# Altium PCB FINAL_PCB_VER1.PcbDoc (part 1 of 4) (continued)
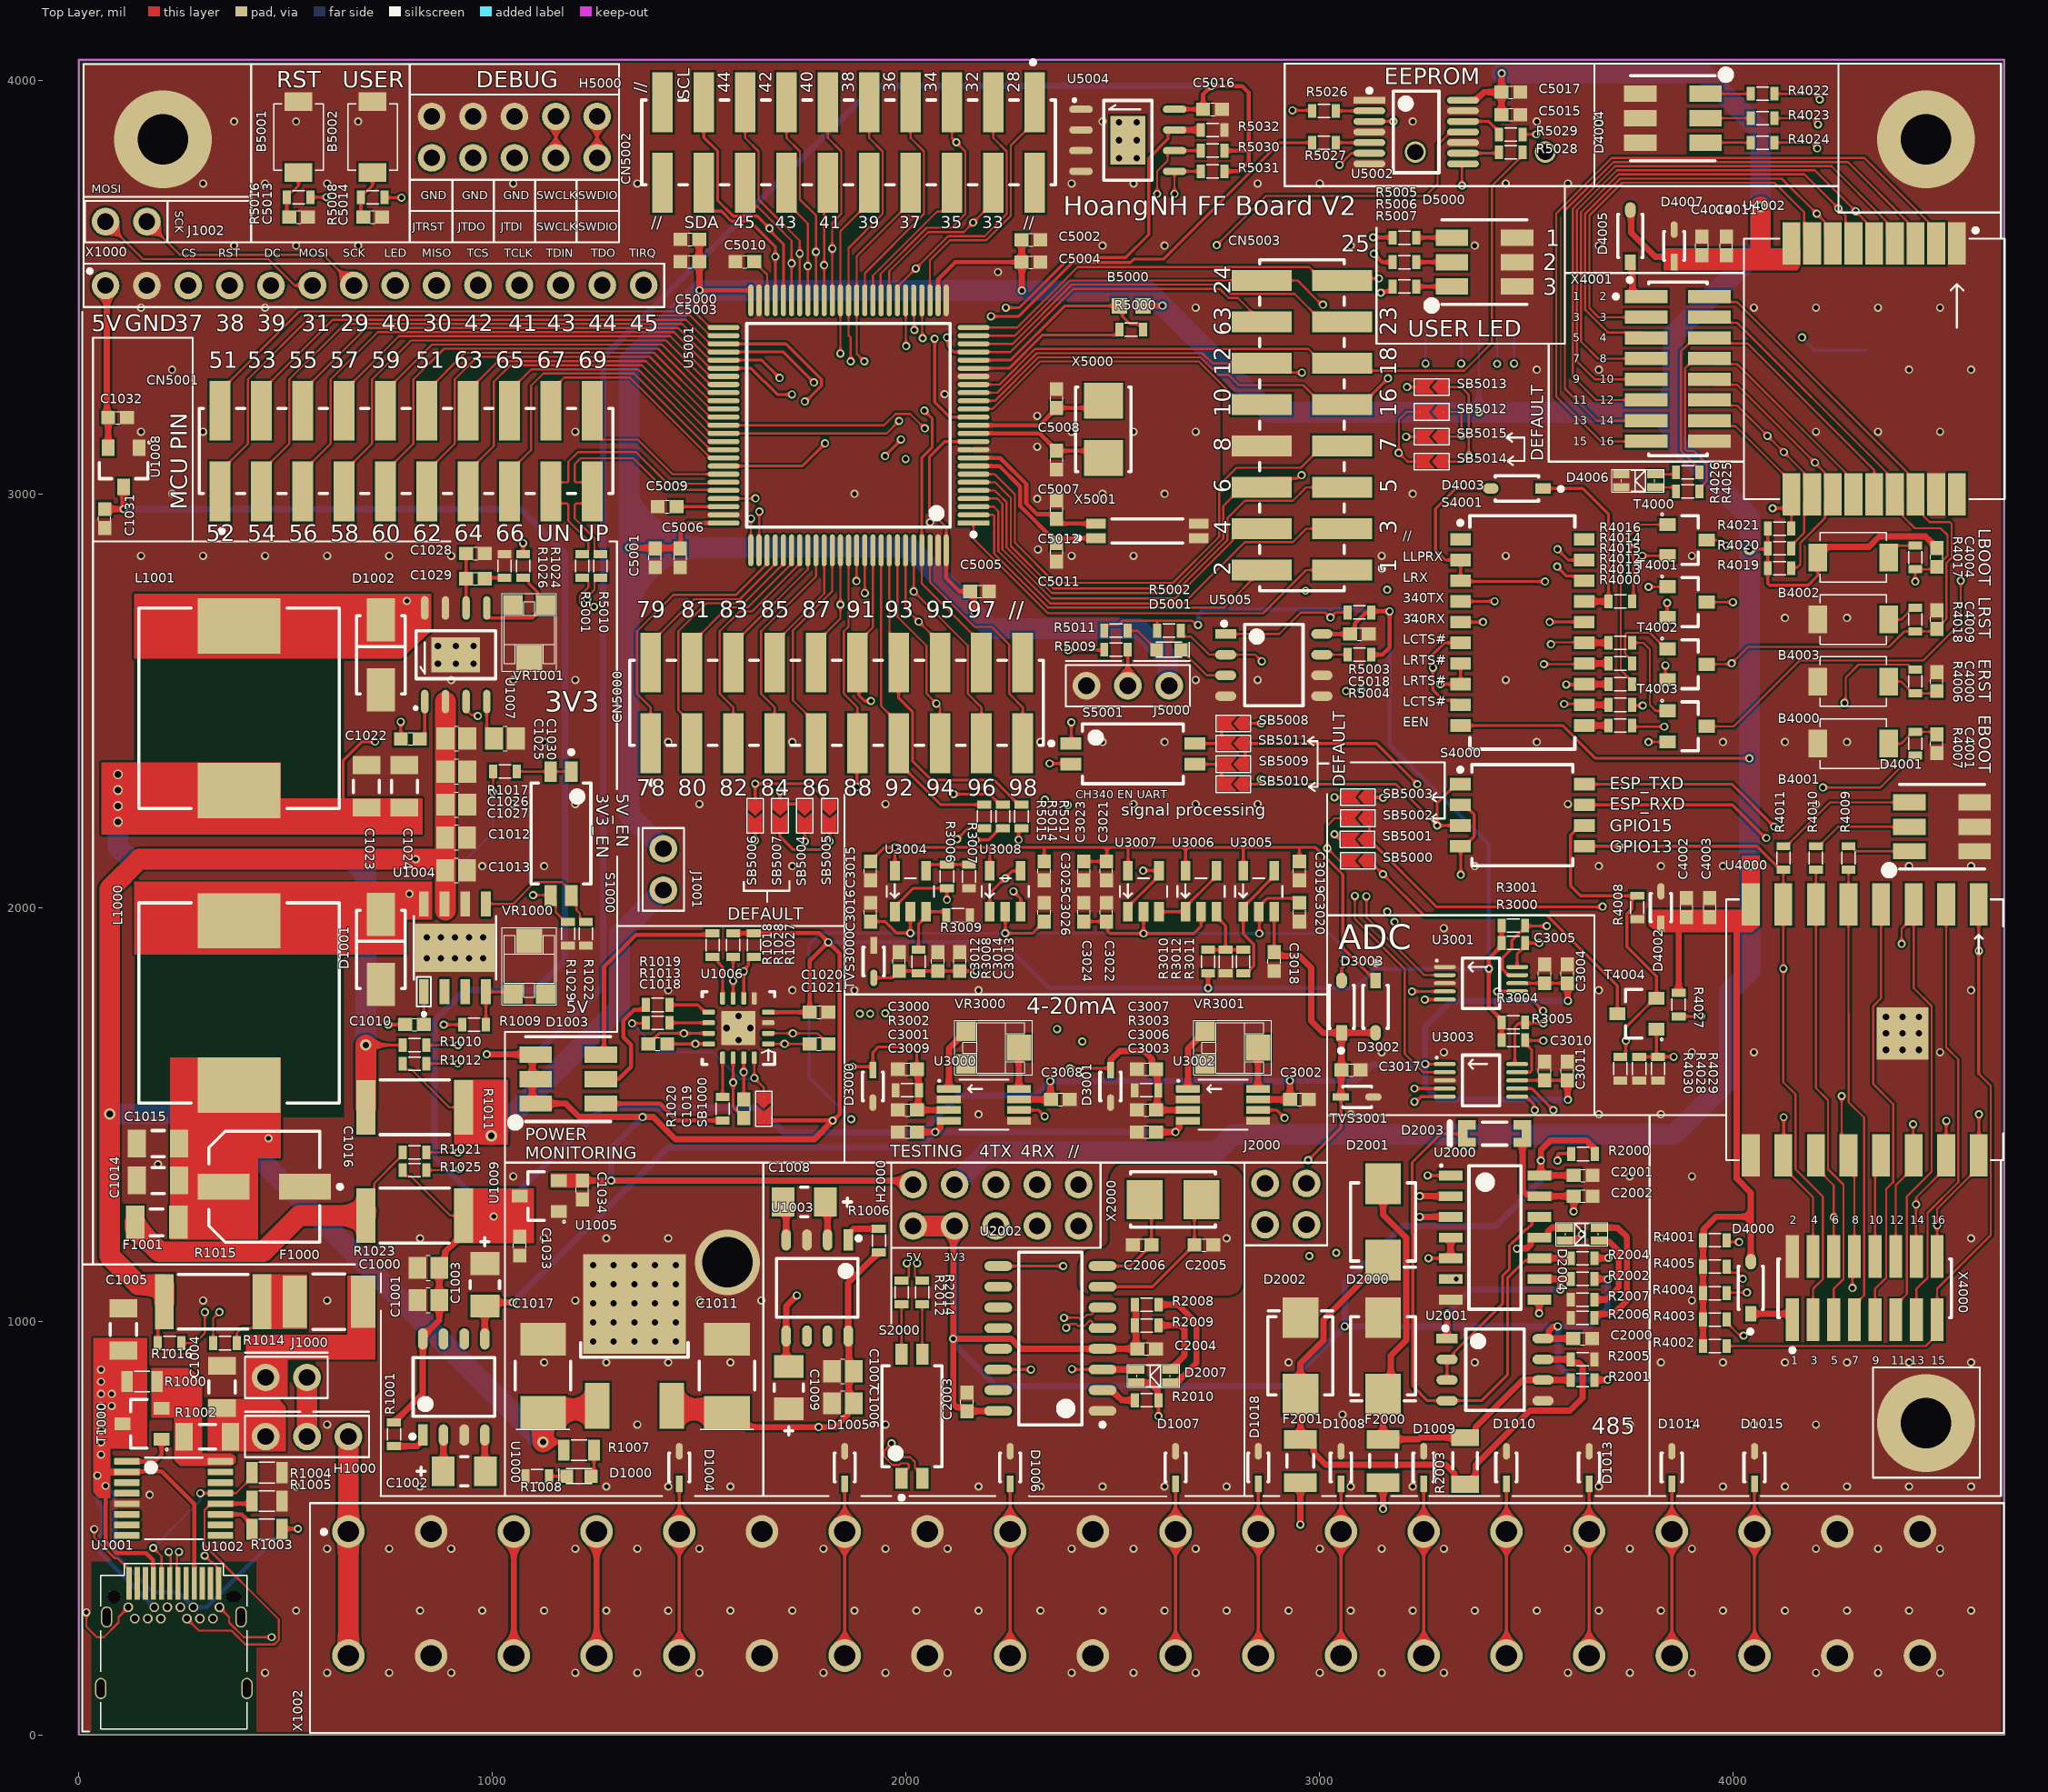
[diagram p0: Top Layer view]
## Components (designator, comment, footprint, x,y, rotation, side; value= is the part's Value field where it differs from the comment) (continued)
R4016 "0R" "RESC 0603(1608) SMD" 3727,2739.76 r0 top
R4017 "22R" "RESC 0603(1608) SMD" 4440,2846 r90 top
R4018 "22R" "RESC 0603(1608) SMD" 4440,2696 r90 top
R4019 "4.7KR" "RESC 0603(1608) SMD" 4112,2820 r180 top
R4020 "4.7KR" "RESC 0603(1608) SMD" 4112,2868 r180 top
R4021 "4.7KR" "RESC 0603(1608) SMD" 4112,2916 r180 top
R4022 "470R" "RESC 0603(1608) SMD" 4071,3967.06 r0 top
R4023 "470R" "RESC 0603(1608) SMD" 4071,3908 r0 top
R4024 "470R" "RESC 0603(1608) SMD" 4071,3848.94 r0 top
R4025 "470R" "RESC 0603(1608) SMD" 3890,3052 r180 top
R4026 "470R" "RESC 0603(1608) SMD" 3890,3006 r180 top
R4027 "4.7KR" "RESC 0603(1608) SMD" 3868,1765.01 r90 top
R4028 "100KR" "RESC 0603(1608) SMD" 3772.47,1610.49 r90 top
R4029 "10KR" "RESC 0603(1608) SMD" 3817.94,1610.49 r90 top
R4030 "4.7KR" "RESC 0603(1608) SMD" 3727,1610.49 r90 top
R5000 "0R" "RESC 0603(1608) SMD" 2544,3397 r180 top
R5001 "20R" "RESC 0603(1608) SMD" 1217,2825.28 r90 top
R5002 "10KR" "RESC 0603(1608) SMD" 2635.44,2669 r180 top
R5003 "10KR" "RESC 0603(1608) SMD" 3096,2713 r0 top
R5004 "4.7KR" "RESC 0603(1608) SMD" 3096,2611 r0 top
R5005 "680R" "RESC 0603(1608) SMD" 3205,3619.1 r0 top
R5006 "680R" "RESC 0603(1608) SMD" 3205,3560.05 r180 top
R5007 "680R" "RESC 0603(1608) SMD" 3205,3500.99 r180 top
R5008 "20R" "RESC 0603(1608) SMD" 710,3716.67 r180 top
R5009 "4.7KR" "RESC 0603(1608) SMD" 2507.55,2623 r180 top
R5010 "20R" "RESC 0603(1608) SMD" 1261,2825.28 r90 top
R5011 "680R" "RESC 0603(1608) SMD" 2507.55,2669 r0 top
R5014 "20R" "RESC 0603(1608) SMD" 2233.94,2219.94 r270 top
R5015 "20R" "RESC 0603(1608) SMD" 2188.89,2219.94 r270 top
R5016 "4.7KR" "RESC 0603(1608) SMD" 531,3716.67 r0 top
R5017 "20R" "RESC 0603(1608) SMD" 2279,2219.94 r270 top
R5026 "3.3KR" "RESC 0603(1608) SMD" 3010.32,3925.72 r0 top
R5027 "3.3KR" "RESC 0603(1608) SMD" 3010.32,3848.94 r0 top
R5028 "3.3KR" "RESC 0603(1608) SMD" 3462.32,3825.53 r180 top
R5029 "3.3KR" "RESC 0603(1608) SMD" 3462.32,3868.53 r180 top
R5030 "4.7KR" "RESC 0603(1608) SMD" 2740.79,3829.52 r180 top
R5031 "4.7KR" "RESC 0603(1608) SMD" 2740.79,3779.52 r180 top
R5032 "4.7KR" "RESC 0603(1608) SMD" 2740.79,3879.52 r0 top
S1000 "DIP-2" "DIP-2 SWITCH" 1165.41,2178.49 r270 top value=N/A
S2000 "DIP-2" "DIP-2 SWITCH" 2014,770 r90 top value=N/A
S4000 "DIP-4" "DIP-4 SWITCH" 3490,2223 r270 top value=N/A
S4001 "DIP-10" "DIP-10 SWITCH" 3490,2664.76 r270 top value=N/A
S5001 "DIP-2" "DIP-2 SWITCH" 2548,2371.33 r0 top value=N/A
SB1000 "SB" SB 1655.58,1513.42 r270 top value=0R
SB5000 "SB" SB 3092,2113 r180 top value=0R
SB5001 "SB" SB 3091,2164.25 r180 top value=0R
SB5002 "SB" SB 3092,2215.5 r180 top value=0R
SB5003 "SB" SB 3092.21,2266.75 r180 top value=0R
SB5004 "SB" SB 1755.03,2221.75 r270 top value=0R
SB5005 "SB" SB 1815,2221.75 r270 top value=0R
SB5006 "SB" SB 1635.09,2221.75 r270 top value=0R
SB5007 "SB" SB 1695.06,2221.75 r270 top value=0R
SB5008 "SB" SB 2791.35,2445 r180 top value=0R
SB5009 "SB" SB 2791.35,2346.33 r180 top value=0R
SB5010 "SB" SB 2791.35,2298 r180 top value=0R
SB5011 "SB" SB 2791.35,2396.33 r180 top value=0R
SB5012 "SB" SB 3271,3197.94 r180 top value=0R
SB5013 "SB" SB 3271,3257.91 r180 top value=0R
SB5014 "SB" SB 3271,3078 r180 top value=0R
SB5015 "SB" SB 3271,3137.97 r180 top value=0R
T1000 "LN2302LT1G" SOT23-3 152.44,751.79 r180 top value=20V-2.8A-N
T4000 "BJT N-MODE" SOT23-3 3888,2888.1 r0 top value=N/A
T4001 "BJT N-MODE" SOT23-3 3888,2737.99 r0 top value=N/A
T4002 "BJT N-MODE" SOT23-3 3888,2587.89 r0 top value=N/A
T4003 "BJT N-MODE" SOT23-3 3888,2437.79 r0 top value=N/A
T4004 "LN2302LT1G" SOT23-3 3766.94,1743 r180 top value=20V-2.8A-N
TVS3000 "PSD12C" SOD-323 1921.65,1869 r270 top value="50 pF, 29.5V"
TVS3001 "PSD12C" SOD-323 3090.7,1541.8 r0 top value="50 pF, 29.5V"
U1000 "ICL7662CBA" SOP-8 906.41,840.79 r90 top
U1001 "3.1-C" "USB TYPE C FEMALE" 229.41,111.79 r0 top value=N/A
U1002 "IP2721" TSSOP-16 229,571.22 r0 top
U1003 "ICL7662CBA" SOP-8 1785.07,1080 r270 top
U1004 "TPS5430DDA" "SO POWERPAD" 909.03,1902.37 r90 top
U1005 "LD1086DT12" DPAK 1343,950.51 r0 top
U1006 "INA3221" VQFN-16 1594.58,1708.42 r180 top
U1007 "TPS54331DR" SOIC-8 911.05,2610.78 r90 top
U1008 "MCP1700T-5002E/MB" SOT23-3 108,3064 r270 top
U1009 "MCP1700T-5002E/MB" SOT23-3 1113,1302.38 r180 top
U2000 "74HC14D" SOIC-14 3424,1202 r0 top
U2001 "MAX3485" SOP-8 3424,882.47 r0 top
U2002 "CH340G" SOP-16 2348.74,958 r180 top
U3000 "INA333AIDR" VSSOP-8 2188.11,1523 r0 top
U3001 "ADS1115" VSSOP-10 3390,1816.69 r0 top
U3002 "INA333AIDR" VSSOP-8 2766.2,1523 r0 top
U3003 "ADS1115" VSSOP-10 3390,1581.94 r0 top
U3004 "OPA333AIDVR" SOT23-5 2010.33,2038.98 r90 top
U3005 "OPA333AIDVR" SOT23-5 2852.6,2038.98 r90 top
U3006 "OPA333AIDVR" SOT23-5 2713.3,2038.98 r90 top
U3007 "OPA333AIDVR" SOT23-5 2574,2038.98 r90 top
U3008 "OPA333AIDVR" SOT23-5 2239.78,2038.98 r90 top
U4000 "ESP-07S" ESP-07S 4318,1704.21 r270 top
U4002 "RA-08H" RA-08H 4340.78,3301.85 r270 top
U5000 "BS-6" BS-6 4321,2785.01 r270 bottom value=N/A
U5001 "STM32H743VIT6" LQFP-100-A 1860.81,3165.63 r180 top
U5002 "74LVC125APW" TSSOP-14 3233.32,3874.53 r0 top
U5003 "MiSD-PP-9P-V2" MiSD-PP-9P-V2 3425.24,3826.13 r0 bottom value=N/A
U5004 "24LC512" SOIC-8 2536.07,3854.52 r0 top
U5005 "LM75BD" SOP-8 2889,2586 r0 top
VR1000 "10KR" "VARIABLE RESISTOR" 1089.05,1854.15 r0 top
VR1001 "10KR" "VARIABLE RESISTOR" 1089.05,2668.78 r180 top
VR3000 "1KR" "VARIABLE RESISTOR" 2207.8,1661 r270 top
VR3001 "1KR" "VARIABLE RESISTOR" 2785.88,1661 r270 top
X1000 "240x320 HMI ILI9341" "LCD TFT320x240" 664.24,3503.43 r0 top value=N/A
X1002 "KF142-5.08-20-R" "TERMINAL BLOCK 20 5.08MM" 2551.41,391.29 r0 top value=N/A
X2000 "CRYSTAL 12MHz" "CRYSTAL 5032 2PIN" 2645.3,1294 r180 top value=12MHz
X4000 "BOARD CONNECTOR 16 1.27MM" "BOARD CONNECTOR 16 1.27MM" 4318,1079.55 r0 top value=N/A
X4001 "BOARD CONNECTOR 16 1.27MM" "BOARD CONNECTOR 16 1.27MM" 3866,3301.85 r270 top value=N/A
X5000 "CRYSTAL 25MHz 2PIN" "CRYSTAL 5032 2PIN" 2476.83,3155.79 r90 top value=25MHz
X5001 "32.768KHz CRYSTAL 4PIN 7015" "CRYSTAL 32.768KHz 7015" 2583.13,2910.13 r0 top value=N/A

## Footprints (in the part's own frame and the unit in brackets; to place one, negate y for a bottom-side part, rotate by r counter-clockwise, add the part's x,y. Pads: shape width x height; smd on the part's side, far side on the other; paste and mask are expansions set on the pad)
"BOARD CONNECTOR 16 1.27MM" [mm]
  rect 0.8x2.62 smd paste+0 mask+0: 1(-4.445,-1.94) 2(-4.445,1.94) 3(-3.175,-1.94) 4(-3.175,1.94) 5(-1.905,-1.94) 6(-1.905,1.94) 7(-0.635,-1.94) 8(-0.635,1.94) 9(0.635,-1.94) 10(0.635,1.94) 11(1.905,-1.94) 12(1.905,1.94) 13(3.175,-1.94) 14(3.175,1.94) 15(4.445,-1.94) 16(4.445,1.94)
  silkscreen extent -5.33,-3.93 5.33,1.8, body extent -5.43,-3.35 5.43,3.35, height 0.25
BS-6 [mm]
  rect 4.2x4.2 smd paste+0: 1(14.275,0) 2(-14.275,0)
  silkscreen extent -17.6,-8.25 14.55,8.25, body extent -15.93,-8 15.93,8, height 5.7
"CAP ALUM 6377" [mm]
  rect 3.2x1.6 smd paste+0: 1(-2.5,0) 2(2.5,0)
  silkscreen extent -4.77,-3.4 3.4,3.4, body extent -4.35,-3.65 4.35,3.65, height 0.25
"CAP CER 0603" [mil] "cap 0603 smd"
  rect 33.79x31.97 smd paste+0: 1(-22.72,0) 2(22.72,0)
  silkscreen extent -5,-15 5,15, body extent -31,-16 31,16, height 34
"CAP CER 0805" [mm] "cap 0805smd"
  rect 1.1x1.356 smd paste+0 mask+0.05: 1(-0.67,0) 2(0.67,0)
  silkscreen extent -0.13,-0.76 0.13,0.76, body extent -1,-0.63 1,0.63, height 0.94
"CAP CER 1206" [mil]
  rect 43.49x67.17 smd paste+0: 1(-51.21,0) 2(51.21,0)
  silkscreen extent -15,-31 15,31, body extent -77,-39 77,39, height 10
"CAP TAN 1206" [mm]
  rect 1.4x1.8 smd paste+0 mask+0: 1(-1.3,0) 2(1.3,0)
  silkscreen extent -0.23,-0.9 2.9,0.9, body extent -2.1,-1 2.1,1, height 0.25
"CAP TAN 2312" [mm]
  rect 2x2.8 smd paste+0: 1(-2.25,0) 2(2.25,0)
  silkscreen extent -0.87,-1.7 3.3,1.7, body extent -3.35,-1.8 3.35,1.8, height 0.25
"CRYSTAL 32.768KHz 7015" [mm]
  rect 1.2x0.6 smd paste+0 mask+0.05: 1(-3.15,-0.45) 2(3.15,-0.45) 3(3.15,0.45) 4(-3.15,0.45)
  silkscreen extent -4.37,-0.75 2.18,0.75, body extent -3.85,-0.85 3.85,0.85, height 0.25
"CRYSTAL 5032 2PIN" [mm]
  rect 2.2x2.4 smd paste+0: 1(-1.75,0) 2(1.75,0)
  silkscreen extent -2.6,-1.7 2.6,1.7, body extent -3.1,-1.8 3.1,1.8, height 0.25
"DIP-2 SWITCH" [mm]
  rect 1.27x0.76 smd paste+0 mask+0: 1(-3.81,0.635) 2(-3.81,-0.635) 3(3.81,-0.635) 4(3.81,0.635)
  silkscreen extent -5.12,-1.83 3.1,1.83, body extent -4.54,-1.93 4.54,1.93, height 0.25
"DIP-4 SWITCH" [mm]
  rect 0.76x1.27 smd paste+0: 1(-1.905,-3.81) 2(-0.635,-3.81) 3(0.635,-3.81) 4(1.905,-3.81) 5(1.905,3.81) 6(0.635,3.81) 7(-0.635,3.81) 8(-1.905,3.81)
  silkscreen extent -3.11,-3.93 3.11,3.1, body extent -3.2,-4.54 3.2,4.54, height 0.25
"DIP-10 SWITCH" [mm]
  rect 0.76x1.27 smd paste+0: 1(-5.715,-3.795) 2(-4.445,-3.795) 3(-3.175,-3.795) 4(-1.905,-3.795) 5(-0.635,-3.795) 6(0.635,-3.795) 7(1.905,-3.795) 8(3.175,-3.795) 9(4.445,-3.795) 10(5.715,-3.795) 11(5.715,3.795) 12(4.445,3.795) 13(3.175,3.795) 14(1.905,3.795) 15(0.635,3.795) 16(-0.635,3.795) 17(-1.905,3.795) 18(-3.175,3.795) 19(-4.445,3.795) 20(-5.715,3.795)
  silkscreen extent -7.16,-3.93 7.16,3.22, body extent -7.26,-4.53 7.26,4.53, height 0.25
DO-214AA [mm] "Molded Diode, 2-Leads, Body 4.40x3.63mm, IPC Medium Density"
  rect 2.5x2.2 smd: 1(-2.35,0) 2(2.35,0)
  silkscreen extent -2.4,-2 2.77,2, body extent -2.6,-1.97 2.6,1.97, height 2.65
DO-214AC [mm] "Molded Diode, 2-Leads, Body 4.38x2.73mm, IPC Medium Density"
  rect 2.65x1.75 smd: 1(-2.15,0) 2(2.15,0)
  silkscreen extent -2.4,-1.5 2.4,1.5, body extent -2.6,-1.48 2.6,1.48, height 2.7
DPAK [mm]
  rect 1.5x2.8 smd: 1(-2.286,-3.95) 3(2.286,-3.95)
  rect 6.3x6.1 smd: 4(0,2.3)
  silkscreen extent -3.3,-0.96 3.3,-0.06, body extent -3.3,-3.77 3.3,5.95, height 2.4
ESP-07S [mm]
  rect 2.6x1.1 smd: 1(-7.7,7) 2(-7.7,5) 3(-7.7,3) 4(-7.7,1) 5(-7.7,-1) 6(-7.7,-3) 7(-7.7,-5) 8(-7.7,-7) 9(7.7,-7) 10(7.7,-5) 11(7.7,-3) 12(7.7,-1) 13(7.7,1) 14(7.7,3) 15(7.7,5) 16(7.7,7)
  round 0.6 hole 0.4: 9(-0.796,3.333) 9(-0.796,2.317) 9(-0.796,1.301) 9(0.22,3.333) 9(0.22,2.317) 9(0.22,1.301) 9(1.236,3.333) 9(1.236,2.317) 9(1.236,1.301)
  rect 3.2x3.2 smd: 9(0.22,2.317)
  silkscreen extent -8,-8.51 8,8.51, body extent -8,-8.51 8,8.49, height 3.28
"FERRITE BEAD 0603" [mm] "Chip FB 0603"
  rect 0.95x0.95 smd: 1(-0.725,0) 2(0.725,0)
  body extent -0.8,-0.4 0.8,0.4, height 0.47
"FUSE 1206" [mil]
  rect 45x80 smd paste+0 mask+0: 1(-52.5,0) 2(52.5,0)
  silkscreen extent -15,-32 15,32, body extent -69,-36 69,36, height 20
"FUSE 1812" [mm]
  rect 1.5x3.2 smd paste+0 mask+0: 1(-2.1,0) 2(2.1,0)
  silkscreen extent -0.98,-1.71 0.98,1.71, body extent -2.95,-1.81 2.95,1.81, height 0.25
"HEADER 5X2" [mm]
  round 1.7 hole 1.02: 1(-5.08,1.27) 2(-5.08,-1.27) 3(-2.54,1.27) 4(-2.54,-1.27) 5(0,1.27) 6(0,-1.27) 7(2.54,1.27) 8(2.54,-1.27) 9(5.08,1.27) 10(5.08,-1.27)
  silkscreen extent -6.43,-2.62 6.43,2.62, body extent -6.35,-2.54 6.35,2.54, height 7
"INDUCTOR 1280" [mm] "Precision Wire Wound Inductor, 2-Leads, Body 12.00x12.00mm, IPC Medium Density"
  rect 3.4x5.1 smd: 1(-5.05,0) 2(5.05,0)
  Multi-Layer pour cut-out: -7.01,6.426 7.01,6.426 7.01,-6.426 -7.01,-6.426
  silkscreen extent -6.15,-6.15 6.15,6.15, body extent -6.25,-6.25 6.25,6.25, height 6
"JUMPER 2" [mm]
  round 1.7 hole 1.02: 1(-1.27,0) 2(1.27,0)
  silkscreen extent -2.54,-1.27 2.54,1.52, body extent -2.54,-1.27 2.54,1.27, height 7.63
"JUMPER 2X2" [mm]
  round 1.7 hole 1.02: 1(-1.27,2.54) 2(1.27,2.54) 3(-1.27,0) 4(1.27,0)
  silkscreen extent -2.54,-1.27 2.54,3.81, body extent -2.54,-1.27 2.54,3.81, height 7.63
"JUMPER 3" [mm]
  round 1.7 hole 1.02: 1(-2.54,0) 2(0,0) 3(2.54,0)
  silkscreen extent -3.81,-1.27 3.81,1.52, body extent -3.81,-1.27 3.81,1.27, height 7.63
"LCD TFT320x240" [mm]
  round 1.7 hole 1.02: 1(-15.24,0) 2(-12.7,0) 3(-10.16,0) 4(-7.62,0) 5(-5.08,0) 6(-2.53,0.007) 7(0.01,0.007) 8(2.55,0.007) 9(5.09,0.007) 10(7.639,0.015) 11(10.179,0.015) 12(12.719,0.015) 13(15.269,0.022) 14(17.809,0.022)
  silkscreen extent -16.59,-1.32 19.08,1.35, body extent -16.51,-1.27 19.08,1.29, height 7
"LED RB 0805" [mm]
  rect 1x0.5 smd mask+0.05: 1(-1.05,0.4) 2(1.05,0.4) 3(-1.05,-0.4) 4(1.05,-0.4)
  silkscreen extent -1.6,-0.7 1.6,0.7, body extent -1,-0.62 1,0.63, height 1.21
"LED RED 0603" [mm]
  rect 0.8x0.8 smd paste+0 mask+0: 1(-0.75,0) 2(0.75,0)
  silkscreen extent -0.8,-0.46 1.24,0.46, body extent -1.25,-0.5 1.25,0.5, height 0.25
"LED RGB 5050" [mm] "SMT Full-color TOP LED Waterclear, body 5x5mm"
  rect 2x1 smd: 1(-2,-1.5) 2(2,-1.5) 3(-2,0) 4(2,0) 5(-2,1.5) 6(2,1.5)
  silkscreen extent -3.5,-2.92 2.6,2.6, body extent -2.7,-2.5 2.7,2.5, height 1.5
LQFP-100-A [mm]
  rect 1.955x0.312 smd paste+0 mask+0: 1(-7.675,6)
  rrect100% 1.955x0.312 smd paste+0 mask+0: 2(-7.675,5.5) 3(-7.675,5) 4(-7.675,4.5) 5(-7.675,4) 6(-7.675,3.5) 7(-7.675,3) 8(-7.675,2.5) 9(-7.675,2) 10(-7.675,1.5) 11(-7.675,1) 12(-7.675,0.5) 13(-7.675,0) 14(-7.675,-0.5) 15(-7.675,-1) 16(-7.675,-1.5) 17(-7.675,-2) 18(-7.675,-2.5) 19(-7.675,-3) 20(-7.675,-3.5) 21(-7.675,-4) 22(-7.675,-4.5) 23(-7.675,-5) 24(-7.675,-5.5) 25(-7.675,-6) 51(7.675,-6) 52(7.675,-5.5) 53(7.675,-5) 54(7.675,-4.5) 55(7.675,-4) 56(7.675,-3.5) 57(7.675,-3) 58(7.675,-2.5) 59(7.675,-2) 60(7.675,-1.5) 61(7.675,-1) 62(7.675,-0.5) 63(7.675,0) 64(7.675,0.5) 65(7.675,1) 66(7.675,1.5) 67(7.675,2) 68(7.675,2.5) 69(7.675,3) 70(7.675,3.5) 71(7.675,4) 72(7.675,4.5) 73(7.675,5) 74(7.675,5.5) 75(7.675,6)
  rrect100% 0.312x1.955 smd paste+0 mask+0: 26(-6,-7.675) 27(-5.5,-7.675) 28(-5,-7.675) 29(-4.5,-7.675) 30(-4,-7.675) 31(-3.5,-7.675) 32(-3,-7.675) 33(-2.5,-7.675) 34(-2,-7.675) 35(-1.5,-7.675) 36(-1,-7.675) 37(-0.5,-7.675) 38(0,-7.675) 39(0.5,-7.675) 40(1,-7.675) 41(1.5,-7.675) 42(2,-7.675) 43(2.5,-7.675) 44(3,-7.675) 45(3.5,-7.675) 46(4,-7.675) 47(4.5,-7.675) 48(5,-7.675) 49(5.5,-7.675) 50(6,-7.675) 76(6,7.675) 77(5.5,7.675) 78(5,7.675) 79(4.5,7.675) 80(4,7.675) 81(3.5,7.675) 82(3,7.675) 83(2.5,7.675) 84(2,7.675) 85(1.5,7.675) 86(1,7.675) 87(0.5,7.675) 88(0,7.675) 89(-0.5,7.675) 90(-1,7.675) 91(-1.5,7.675) 92(-2,7.675) 93(-2.5,7.675) 94(-3,7.675) 95(-3.5,7.675) 96(-4,7.675) 97(-4.5,7.675) 98(-5,7.675) 99(-5.5,7.675) 100(-6,7.675)
  silkscreen extent -7.8,-6.25 6.25,6.83, body extent -9.15,-9.15 9.15,9.15, height 0.25
MiSD-PP-9P-V2 [mm] "SD CARD"
  rect 0.7x2 smd mask+0.05: 1(2.25,10.9) 2(1.15,10.9) 3(0.05,10.9) 4(-1.05,10.9) 5(-2.15,10.9) 6(-3.25,10.9) 7(-4.35,10.9) 8(-5.45,10.9) CD(-6.55,10.9)
  rect 1.2x1.4 smd mask+0.05: G(-7.75,9.7)
  rect 1.2x2.2 smd mask+0.05: G(-7.7,0.5) G(7.7,0.5)
  rect 1.6x1.4 smd mask+0.05: G(6.85,9.7)
  silkscreen extent -8.41,-5.71 8.43,12.06
RA-08H [mm]
  rect 2.6x1.1 smd mask+0.05: 1(-7.7,5.08) 2(-7.7,3.81) 3(-7.7,2.54) 4(-7.7,1.27) 5(-7.7,0) 6(-7.7,-1.27) 7(-7.7,-2.54) 8(-7.7,-3.81) 9(-7.7,-5.08) 10(7.7,-5.08) 11(7.7,-3.81) 12(7.7,-2.54) 13(7.7,-1.27) 14(7.7,0) 15(7.7,1.27) 16(7.7,2.54) 17(7.7,3.81) 18(7.7,5.08)
  silkscreen extent -8.64,-8 8,8, body extent -8,-8 8,8, height 3.03
"RESC 0603(1608) SMD" [mm] "Chip Resistor 0603"
  rect 0.5x0.85 smd mask+0.05: 1(-0.725,0) 2(0.725,0)
  silkscreen extent -0.38,-0.41 0.38,0.41, body extent -0.8,-0.4 0.8,0.4, height 0.47
"RESC 0805(2012) SMD" [mm] "Chip Resistor 0805 SMD"
  rect 0.7x1.3 smd paste+0 mask+0.05: 1(-0.925,0) 2(0.925,0)
  silkscreen extent -0.48,-0.64 0.48,0.64, body extent -1,-0.63 1,0.63, height 0.43
"RESC 1206(3116) SMD" [mm] "Chip Resistor 1206"
  rect 1.05x1.7 smd paste+0 mask+0.05: 1(-1.425,0) 2(1.425,0)
  silkscreen extent -0.5,-0.75 0.5,0.75, body extent -1.55,-0.8 1.55,0.8, height 0.55
"RESC 2512 SMD" [mil] "Chip Resistor 2512 SMD"
  rect 45.6x132.21 smd paste+0: 1(-118.19,0) 2(118.19,0)
  silkscreen extent -84,-66 84,66, body extent -126,-63 126,63, height 24
SB [mil] "Jumper"
  round 1 smd mask+1.97: 1(-28.54,0) 2(28.54,0)
  Top Layer region: 7,0 -7,-16.73 38.39,-16.73 38.39,16.73 -7,16.73
  Top Layer region: -38.39,-16.73 -15,-16.73 0,0 -15,16.73 -38.39,16.73
  silkscreen extent -42,-20 42,20
"SMD HEADER 8X2X2.54MM" [mm]
  rect 1.27x3.68 smd paste+0 mask+0: 1(8.89,2.475) 2(8.89,-2.475) 3(6.35,2.475) 4(6.35,-2.475) 5(3.81,2.475) 6(3.81,-2.475) 7(1.27,2.475) 8(1.27,-2.475) 9(-1.27,2.475) 10(-1.27,-2.475) 11(-3.81,2.475) 12(-3.81,-2.475) 13(-6.35,2.475) 14(-6.35,-2.475) 15(-8.89,2.475) 16(-8.89,-2.475)
  silkscreen extent -10.16,-2.61 10.16,5.04, body extent -10.26,-4.42 10.26,4.42, height 0.25
"SMD HEADER 10X2X2.54MM" [mil]
  rect 50x144.88 smd paste+0 mask+0: 1(459,90.44) 2(459,-104.44) 3(359,90.44) 4(359,-104.44) 5(259,90.44) 6(259,-104.44) 7(159,90.44) 8(159,-104.44) 9(59,90.44) 10(59,-104.44) 11(-41,90.44) 12(-41,-104.44) 13(-141,90.44) 14(-141,-104.44) 15(-241,90.44) 16(-241,-104.44) 17(-341,90.44) 18(-341,-104.44) 19(-441,90.44) 20(-441,-104.44)
  silkscreen extent -491,-110 509,191, body extent -490,-146 510,144, height 380
"SO POWERPAD" [mm]
  rrect5% 1.55x0.6 smd mask+0: 1(-2.7,1.905) 2(-2.7,0.635) 3(-2.7,-0.635) 4(-2.7,-1.905) 5(2.7,-1.905) 6(2.7,-0.635) 7(2.7,0.635) 8(2.7,1.905)
  round 0.6 hole 0.4 paste+0: 9(-0.65,0.863) 9(-0.65,1.726) 9(-0.65,0) 9(-0.65,-1.726) 9(-0.65,-0.863) 9(0.65,0.863) 9(0.65,1.726) 9(0.65,0) 9(0.65,-1.726) 9(0.65,-0.863)
  rect 2.95x4.9 smd: 9(0,0)
  silkscreen extent -4.17,-2.52 1.95,2.52, body extent -3,-2.45 3,2.45, height 1.7
SOD-80 [mm] "SOD, 2-Leads, Body 3.45x1.4mm"
  rect 0.6x1.65 smd: 1(-1.95,0) 2(1.95,0)
  rect 1.1x0.575 smd: 1(-1.7,-0.538) 1(-1.7,0.538) 2(1.7,-0.538) 2(1.7,0.538)
  silkscreen extent -0.75,-0.7 2.75,0.7, body extent -1.73,-0.69 1.73,0.69, height 1.4
SOD-123 [mil]
  rrect100% 37.7x26.08 smd paste+0 mask+0: 1(63.01,0)
  rect 37.7x26.08 smd paste+0 mask+0: 2(-63.01,0)
  silkscreen extent -111,-31 52,31, body extent -86,-34 86,34, height 10
SOD-323 [mil]
  rect 39.85x17.16 smd paste+0 mask+0: 1(-39.29,0)
  rrect100% 39.85x17.16 smd paste+0 mask+0: 2(39.29,0)
  silkscreen extent -34,-26 34,26, body extent -63,-30 63,30, height 10
SOIC-8 [mm] "SOIC, 8-Leads, Body 4.90x3.90mm, Pitch 1.27mm, Thermal Pad 3.00x2.13mm, IPC Medium Density"
  oval 1.45x0.45 smd: 1(-2.875,1.905) 2(-2.875,0.635) 3(-2.875,-0.635) 4(-2.875,-1.905) 5(2.875,-1.905) 6(2.875,-0.635) 7(2.875,0.635) 8(2.875,1.905)
  rect 2.13x3 smd: 9(0,0)
  silkscreen extent -3.33,-2.44 1.47,2.51, body extent -3,-2.5 3,2.5, height 1.7
SOIC-14 [mm] "SOIC, 14-Leads, Body 8.65x3.90mm, Pitch 1.27mm, IPC Medium Density"
  rect 1.45x0.6 smd: 1(-2.725,3.81) 2(-2.725,2.54) 3(-2.725,1.27) 4(-2.725,0) 5(-2.725,-1.27) 6(-2.725,-2.54) 7(-2.725,-3.81) 8(2.725,-3.81) 9(2.725,-2.54) 10(2.725,-1.27) 11(2.725,0) 12(2.725,1.27) 13(2.725,2.54) 14(2.725,3.81)
  silkscreen extent -3.32,-4.4 1.6,4.43, body extent -3,-4.4 3,4.4, height 1.75
SOP-8 [mm]
  rect 1.304x0.592 smd paste+0 mask+0: 1(-2.95,1.905)
  rrect100% 1.304x0.592 smd paste+0 mask+0: 2(-2.95,0.635) 3(-2.95,-0.635) 4(-2.95,-1.905) 5(2.95,-1.905) 6(2.95,-0.635) 7(2.95,0.635) 8(2.95,1.905)
  silkscreen extent -3.17,-2.5 1.8,2.67, body extent -3.85,-2.75 3.85,2.75, height 0.25
SOP-16 [mm] "SOP, 16-Leads, Body 10.30x4.40mm, Pitch 1.27mm, IPC Medium Density"
  oval 1.7x0.6 smd: 1(-3.2,4.445) 2(-3.2,3.175) 3(-3.2,1.905) 4(-3.2,0.635) 5(-3.2,-0.635) 6(-3.2,-1.905) 7(-3.2,-3.175) 8(-3.2,-4.445) 9(3.2,-4.445) 10(3.2,-3.175) 11(3.2,-1.905) 12(3.2,-0.635) 13(3.2,0.635) 14(3.2,1.905) 15(3.2,3.175) 16(3.2,4.445)
  silkscreen extent -3.33,-5.3 1.95,5.42, body extent -3.5,-5.3 3.5,5.3, height 2.1
SOT23-3 [mm] "SOT23, 3-Leads, Body 2.92x2.37mm, Pitch 0.95mm, IPC Medium Density"
  rect 1x0.8 smd: 1(-1.2,0.95) 2(-1.2,-0.95) 3(1.2,0)
  silkscreen extent -1.6,-1.5 0.7,1.65, body extent -1.32,-1.52 1.32,1.52, height 1.11
SOT23-5 [mm]
  rect 1.21x0.59 smd: 1(-1.255,0.95) 2(-1.255,0) 3(-1.255,-0.95) 4(1.255,-0.95) 5(1.255,0.95)
  silkscreen extent -0.38,-1.45 0.8,1.45, body extent -1.4,-1.45 1.4,1.45, height 1.45
"TACTILE 3X4MM" [mm]
  rect 1.15x1.7 smd: 1(-2.175,0) 2(2.175,0)
  silkscreen extent -2.03,-1.52 2.03,1.52, body extent -2.54,-1.52 2.54,1.52, height 2
"TERMINAL BLOCK 20 5.08MM" [mm]
  round 2 hole 1.3: 1(-48.26,-5.08) 1(-48.26,2.54) 2(-43.18,-5.08) 2(-43.18,2.54) 3(-38.1,-5.08) 3(-38.1,2.54) 4(-33.02,-5.08) 4(-33.02,2.54) 5(-27.94,-5.08) 5(-27.94,2.54) 6(-22.86,-5.08) 6(-22.86,2.54) 7(-17.78,-5.08) 7(-17.78,2.54) 8(-12.7,-5.08) 8(-12.7,2.54) 9(-7.62,-5.08) 9(-7.62,2.54) 10(-2.54,-5.08) 10(-2.54,2.54) 11(2.54,-5.08) 11(2.54,2.54) 12(7.62,-5.08) 12(7.62,2.54) 13(12.7,-5.08) 13(12.7,2.54) 14(17.78,-5.08) 14(17.78,2.54) 15(22.86,-5.08) 15(22.86,2.54) 16(27.94,-5.08) 16(27.94,2.54) 17(33.02,-5.08) 17(33.02,2.54) 18(38.1,-5.08) 18(38.1,2.54) 19(43.18,-5.08) 19(43.18,2.54) 20(48.26,-5.08) 20(48.26,2.54)
  silkscreen extent -50.62,-9.83 53.42,4.29, body extent -50.65,-9.77 53.39,4.33, height 13.4
TSSOP-14 [mm]
  rect 1.955x0.421 smd paste+0 mask+0.05: 1(-2.875,1.95)
  rrect100% 1.955x0.421 smd paste+0 mask+0.05: 2(-2.875,1.3) 3(-2.875,0.65) 4(-2.875,0) 5(-2.875,-0.65) 6(-2.875,-1.3) 7(-2.875,-1.95) 8(2.875,-1.95) 9(2.875,-1.3) 10(2.875,-0.65) 11(2.875,0) 12(2.875,0.65) 13(2.875,1.3) 14(2.875,1.95)
  silkscreen extent -3,-2.5 1.4,2.66, body extent -4.35,-3 4.35,3, height 0.25
TSSOP-16 [mm]
  rrect25% 1.57x0.41 smd: 1(-2.87,2.275) 2(-2.87,1.625) 3(-2.87,0.975) 4(-2.87,0.325) 5(-2.87,-0.325) 6(-2.87,-0.975) 7(-2.87,-1.625) 8(-2.87,-2.275) 9(2.87,-2.275) 10(2.87,-1.625) 11(2.87,-0.975) 12(2.87,-0.325) 13(2.87,0.325) 14(2.87,0.975) 15(2.87,1.625) 16(2.87,2.275)
  silkscreen extent -1.77,-2.5 1.77,2.5, body extent -3.2,-2.5 3.2,2.5, height 1.17
"USB TYPE C FEMALE" [mm]
  rect 0.32x2 smd mask+0.05: A1(-2.75,6.45) A2(-2.25,6.45) A3(-1.75,6.45) A4(-1.25,6.45) A5(-0.75,6.45) A6(-0.25,6.45) A7(0.25,6.45) A8(0.75,6.45) A9(1.25,6.45) A10(1.75,6.45) A11(2.25,6.45) A12(2.75,6.45)
  round 0.6 hole 0.4 mask+0.05: B1(2.8,4.99) B2(2.4,4.29) B3(1.6,4.29) B4(1.2,4.99) B5(0.8,4.29) B6(0.4,4.99) B7(-0.4,4.99) B8(-0.8,4.29) B9(-1.2,4.99) B10(-1.6,4.29) B11(-2.4,4.29) B12(-2.8,4.99)
  oval 0.7x1.3 hole 0.5 slot 1.1 at 90 deg: SH1(4.125,4.39) SH2(-4.125,4.39) SH3(-4.485,0) SH4(4.485,0)
  round 0.85 hole 0.85 unplated: ""(-3.675,5.64)
  oval 0.95x0.65 hole 0.65 slot 0.95 at 0 deg unplated: ""(3.675,5.64)
  Multi-Layer pour cut-out: -5.08,7.798 5.08,7.798 5.08,-2.794 -5.08,-2.794
  silkscreen extent -4.5,-2.49 4.5,7.67, body extent -4.48,-2.45 4.48,6.9, height 3.13
"VARIABLE RESISTOR" [mm]
  rect 1.2x1.2 smd mask+0.05: 1(-1,-1.6) 3(1,-1.6)
  rect 1.6x1.5 smd mask+0.05: 2(0,1.65)
  silkscreen extent -1.68,-2.29 1.68,2.48, body extent -1.55,-1.79 1.55,2.01, height 1.62
VQFN-16 [mm] "QFN, 16-Leads, Body 4x4mm, Pitch 0.65mm, Thermal Pad 2.16x2.16mm, TI Recommended"
  rrect33% 0.75x0.3 smd: 1(-1.825,0.975) 2(-1.825,0.325) 3(-1.825,-0.325) 4(-1.825,-0.975) 9(1.825,-0.975) 10(1.825,-0.325) 11(1.825,0.325) 12(1.825,0.975)
  rrect33% 0.3x0.75 smd: 5(-0.975,-1.825) 6(-0.325,-1.825) 7(0.325,-1.825) 8(0.975,-1.825) 13(0.975,1.825) 14(0.325,1.825) 15(-0.325,1.825) 16(-0.975,1.825)
  rrect11% 0.939x0.939 on Top Paste: 17(-0.57,0.57) 17(-0.57,-0.57) 17(0.57,0.57) 17(0.57,-0.57)
  rrect5% 2.1x2.1 smd paste-1.08: 17(0,0)
  silkscreen extent -2.22,-2.22 2.22,2.22, body extent -2.07,-2.07 2.07,2.07, height 1.01
VSSOP-8 [mm]
  rrect25% 1.47x0.48 smd mask+0.05: 1(-2.15,0.975)
  rect 1.47x0.48 smd mask+0.05: 2(-2.15,0.325) 3(-2.15,-0.325) 4(-2.15,-0.975) 5(2.15,-0.975) 6(2.15,-0.325) 7(2.15,0.325) 8(2.15,0.975)
  silkscreen extent -2.74,-1.54 1.5,1.54, body extent -2.45,-1.5 2.45,1.5, height 1.1
VSSOP-10 [mm] "TSSOP, 10-Leads, Body 3.00x3.00mm, Pitch 0.50mm, IPC High Density"
  oval 1.35x0.25 smd: 1(-2.225,1) 2(-2.225,0.5) 3(-2.225,0) 4(-2.225,-0.5) 5(-2.225,-1) 6(2.225,-1) 7(2.225,-0.5) 8(2.225,0) 9(2.225,0.5) 10(2.225,1)
  silkscreen extent -2.77,-1.55 1.15,1.55, body extent -2.56,-1.55 2.56,1.55, height 1.1

## Part data
B4000 B4001 B4002 B4003 B5001 B5002: library part FF-3007, "Nút Nhấn 3x4mm Cao 2.5mm 2 Chân SMD", Power Rate=N/A, Design Item ID=FF-3007, Size=3X4MM, Supplier=THEGIOIIC, Supplier Link=https://www.thegioiic.com/nut-nhan-3x4mm-cao-2-5mm-2-chan-smd, Supplier Part Number="Nút Nhấn 3x4mm Cao 2.5mm 2 Chân SMD", TH/SMD=SMD, Tolerance=N/A, Type=BUTTON, Voltage=N/A
B5000: library part FF-4021, "FERRITE BEAD 600 OHM 0603 1LN", Power Rate=N/A, Design Item ID=FF-4021, Size=0603, Supplier=THEGIOIIC, Supplier Link=https://www.thegioiic.com/ferrite-bead-600-ohm-0603-1ln, Supplier Part Number="FERRITE BEAD 600 OHM 0603 1LN", TH/SMD=SMD, Tolerance=N/A, Type="FERRITE BEAD", Voltage=N/A
C1000 C1001 C1006 C1007 C1012 C1013 C1026 C1027: library part FF-1010, "CAP CER SMD 4.7uF 10% 50V 0805", Power Rate=N/A, Supplier Part Number="10%, 0805 (2012 Metric)", Tolerance=10%, Voltage=50V, Design Item ID=FF-1010, Size=0805, Supplier=THEGIOIIC, Supplier Link=https://www.thegioiic.com/tu-gom-0805-4-7uf-50v, TH/SMD=SMD, Type="CAP CER"
C1002 C1003 C1008 C1009: library part FF-1034, "CAP TAN SMD 10uF 10% 16V 1206", Power Rate=N/A, Supplier Part Number="Tụ Tantalum 10uF 16V 1206 TAJA106K016RNJ", Tolerance=10%, Voltage=16V, Design Item ID=FF-1034, Size=1206, Supplier=THEGIOIIC, Supplier Link=https://www.thegioiic.com/tu-tantalum-10uf-16v-1206-taja106k016rnj, TH/SMD=SMD, Type="CAP TAN"
C1004: library part FF-1019, "CAP CER SMD 10uF 10% 50V 1206", Power Rate=N/A, Supplier Part Number="10%, 1206 (3216 Metric)", Tolerance=10%, Voltage=50V, Design Item ID=FF-1019, Size=1206, Supplier=THEGIOIIC, Supplier Link=https://www.thegioiic.com/tu-gom-1206-10uf-50v, TH/SMD=SMD, Type="CAP CER"
C1005: library part FF-1018, "CAP CER SMD 1uF 10% 50V 1206", Power Rate=N/A, Supplier Part Number="10%, 1206 (3216 Metric)", Tolerance=10%, Voltage=50V, Design Item ID=FF-1018, Size=1206, Supplier=THEGIOIIC, Supplier Link=https://www.thegioiic.com/tu-gom-1206-1uf-50v, TH/SMD=SMD, Type="CAP CER"
C1010: library part FF-1033, "CAP CER SMD 10nF 10% 50V 0603", Power Rate=N/A, Supplier Part Number="10%, 0603 (1608 Metric)", Tolerance=10%, Voltage=50V, Design Item ID=FF-1033, Size=0603, Supplier=THEGIOIIC, Supplier Link=https://www.thegioiic.com/tu-gom-0603-10nf-50v, TH/SMD=SMD, Type="CAP CER"
C1011 C1017: library part FF-1022, "CAP TAN SMD 10uF 10% 16V 2312", Power Rate=N/A, Supplier Part Number="106 10%, 2312 (6032 Metric)", Tolerance=10%, Voltage=16V, Design Item ID=FF-1022, Size=2312, Supplier=THEGIOIIC, Supplier Link=https://www.thegioiic.com/tu-tantalum-10uf-16v-2312-tajc106k016rnj, TH/SMD=SMD, Type="CAP TAN"
C1014 C1015 C1023 C1024: library part FF-1024, "CAP CER SMD 47uF 10% 25V 1206", Power Rate=N/A, Supplier Part Number="10%, 1206 (3216 Metric)", Tolerance=10%, Voltage=25V, Design Item ID=FF-1024, Size=1206, Supplier=THEGIOIIC, Supplier Link=https://www.thegioiic.com/tu-gom-1206-47uf-16v, TH/SMD=SMD, Type="CAP CER"
C1016: library part FF-1002, "CAP ALUM SMD 220uF 20% 16V 6377", Power Rate=N/A, Supplier Part Number="Tụ hóa 220uF 16V, 20%", Tolerance=20%, Voltage=16V, Design Item ID=FF-1002, Size=6377, Supplier=THEGIOIIC, Supplier Link=https://www.thegioiic.com/tu-nhom-smd-220uf-16v-6-3x7-7mm, TH/SMD=SMD, Type="CAP ALUM"